# Altium PCB SDRdrum_Arty_RevB.PcbDoc
Units mm, origin at the board's own origin, x right, y up, seen from the top; angles counter-clockwise.
Board outline 100 x 100 mm, 4 copper layers (L1, L2 (GND), L3 (PWR), L4), stack 0.778 mm thick; 132 components, 76 nets, 439 pads, 47 vias.
Unrouted connection lines stored in the file: 124.
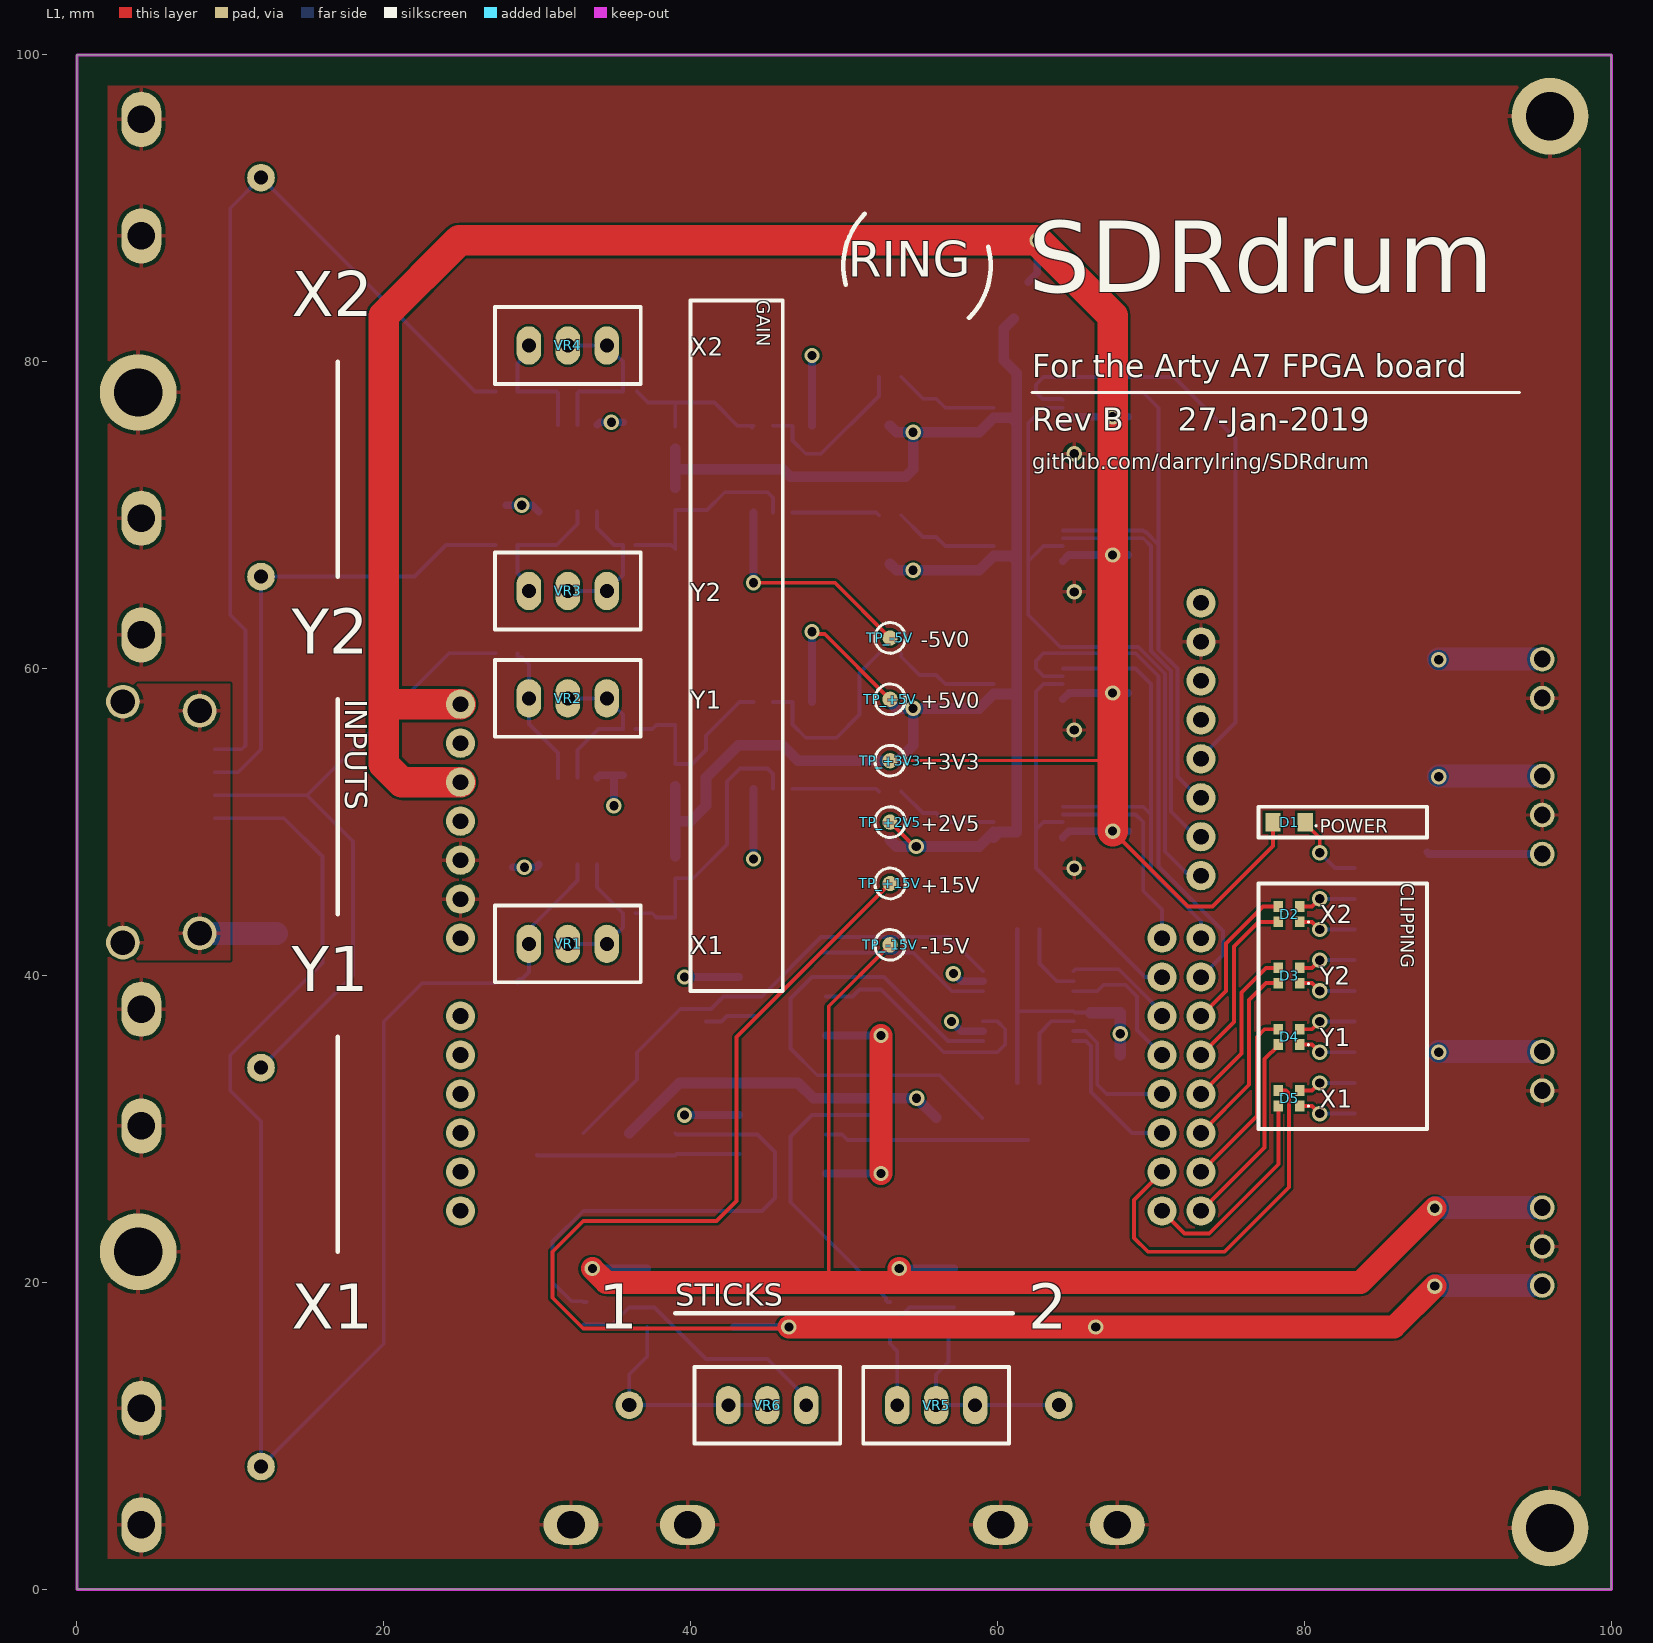
[diagram p0: L1 view]
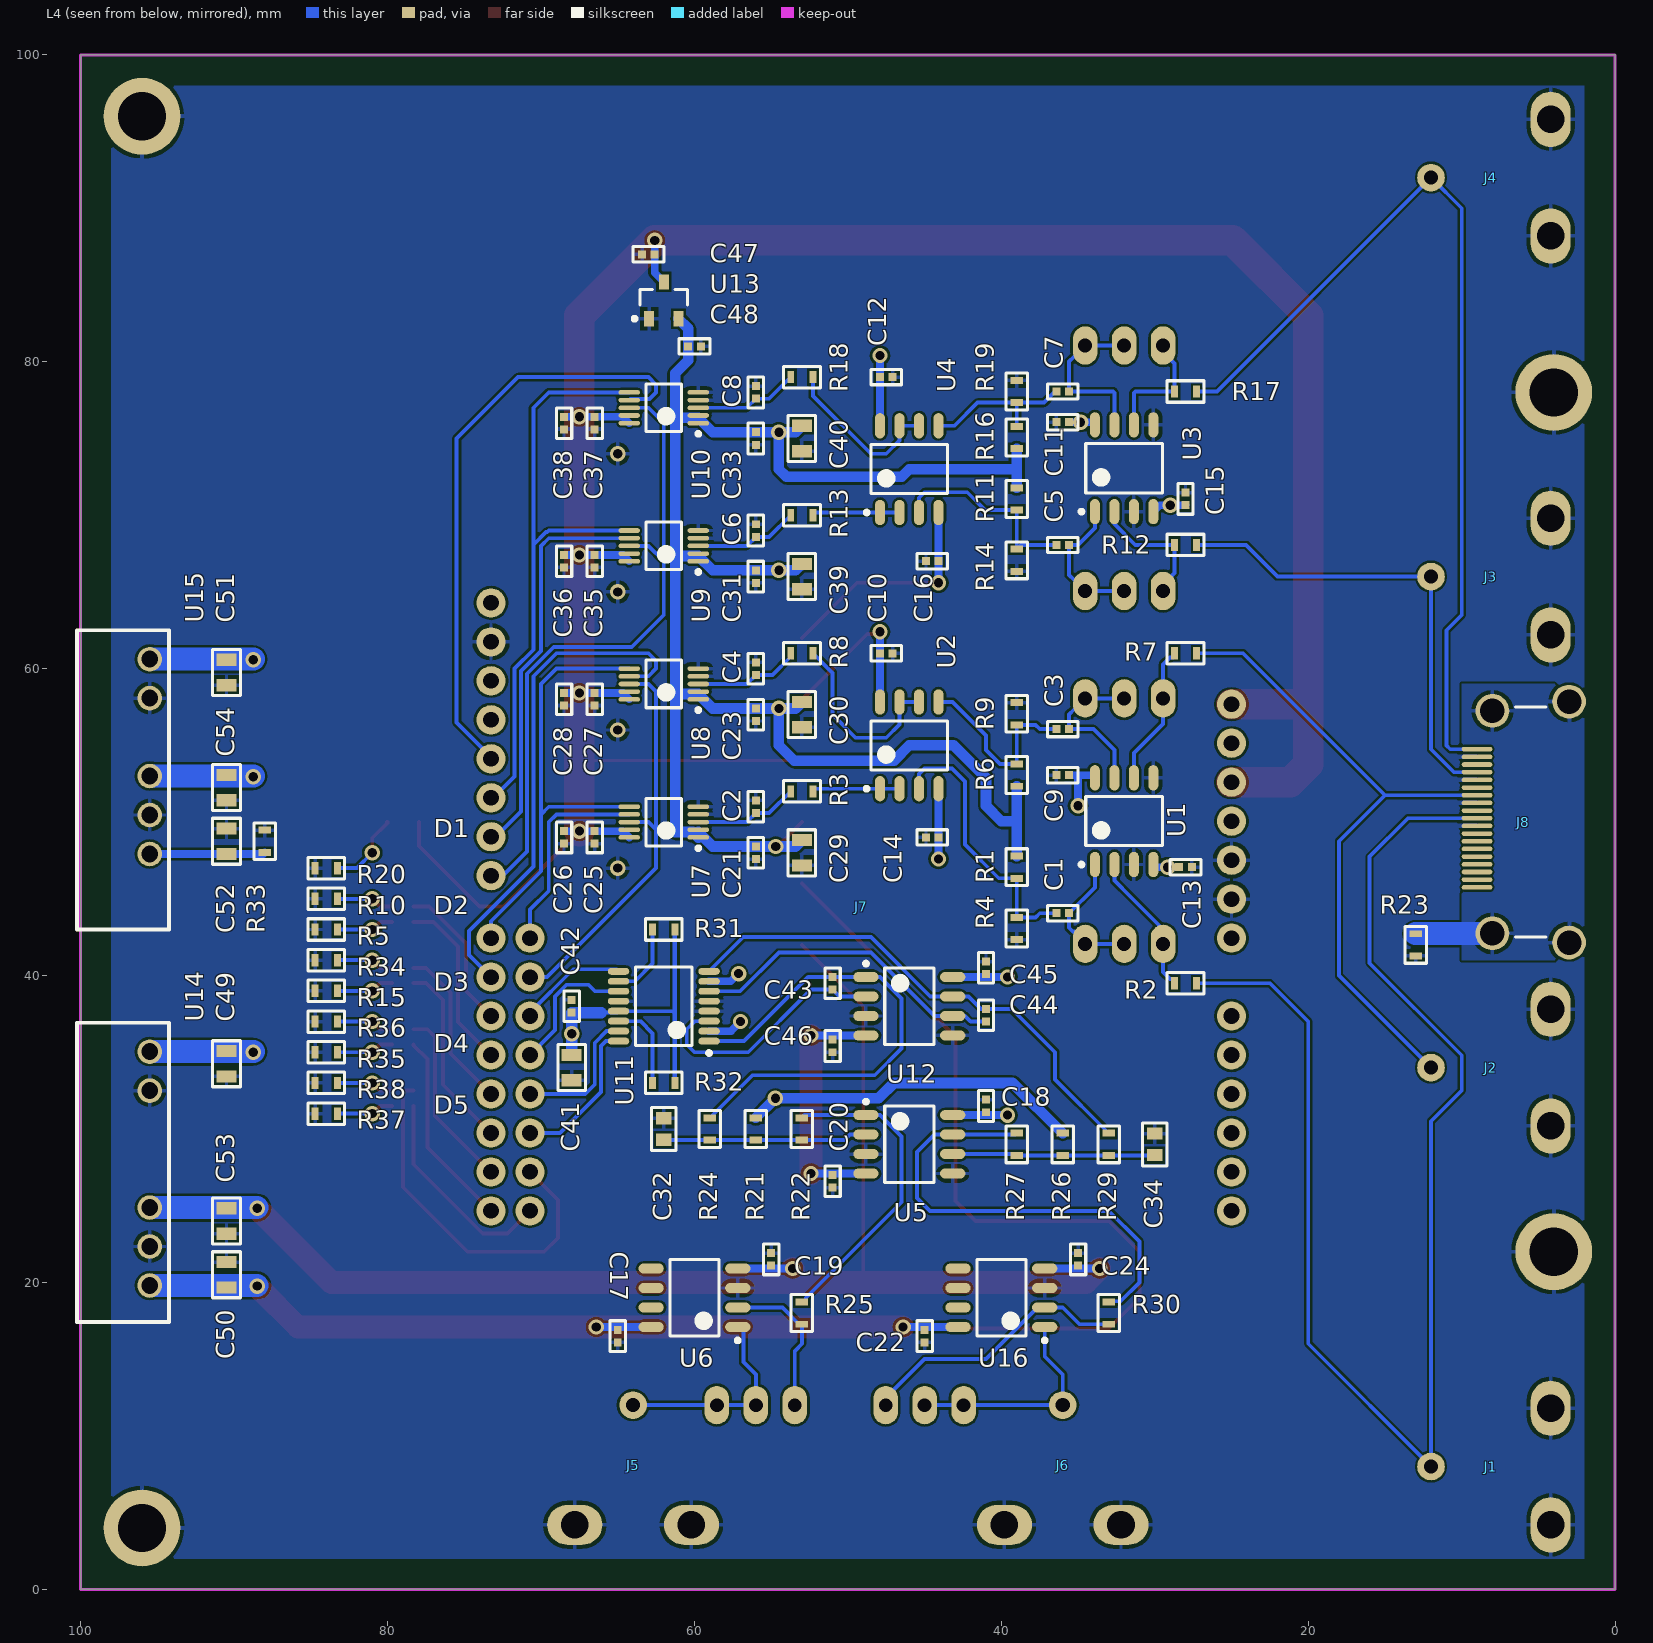
[diagram p1: L4 view, seen from below]
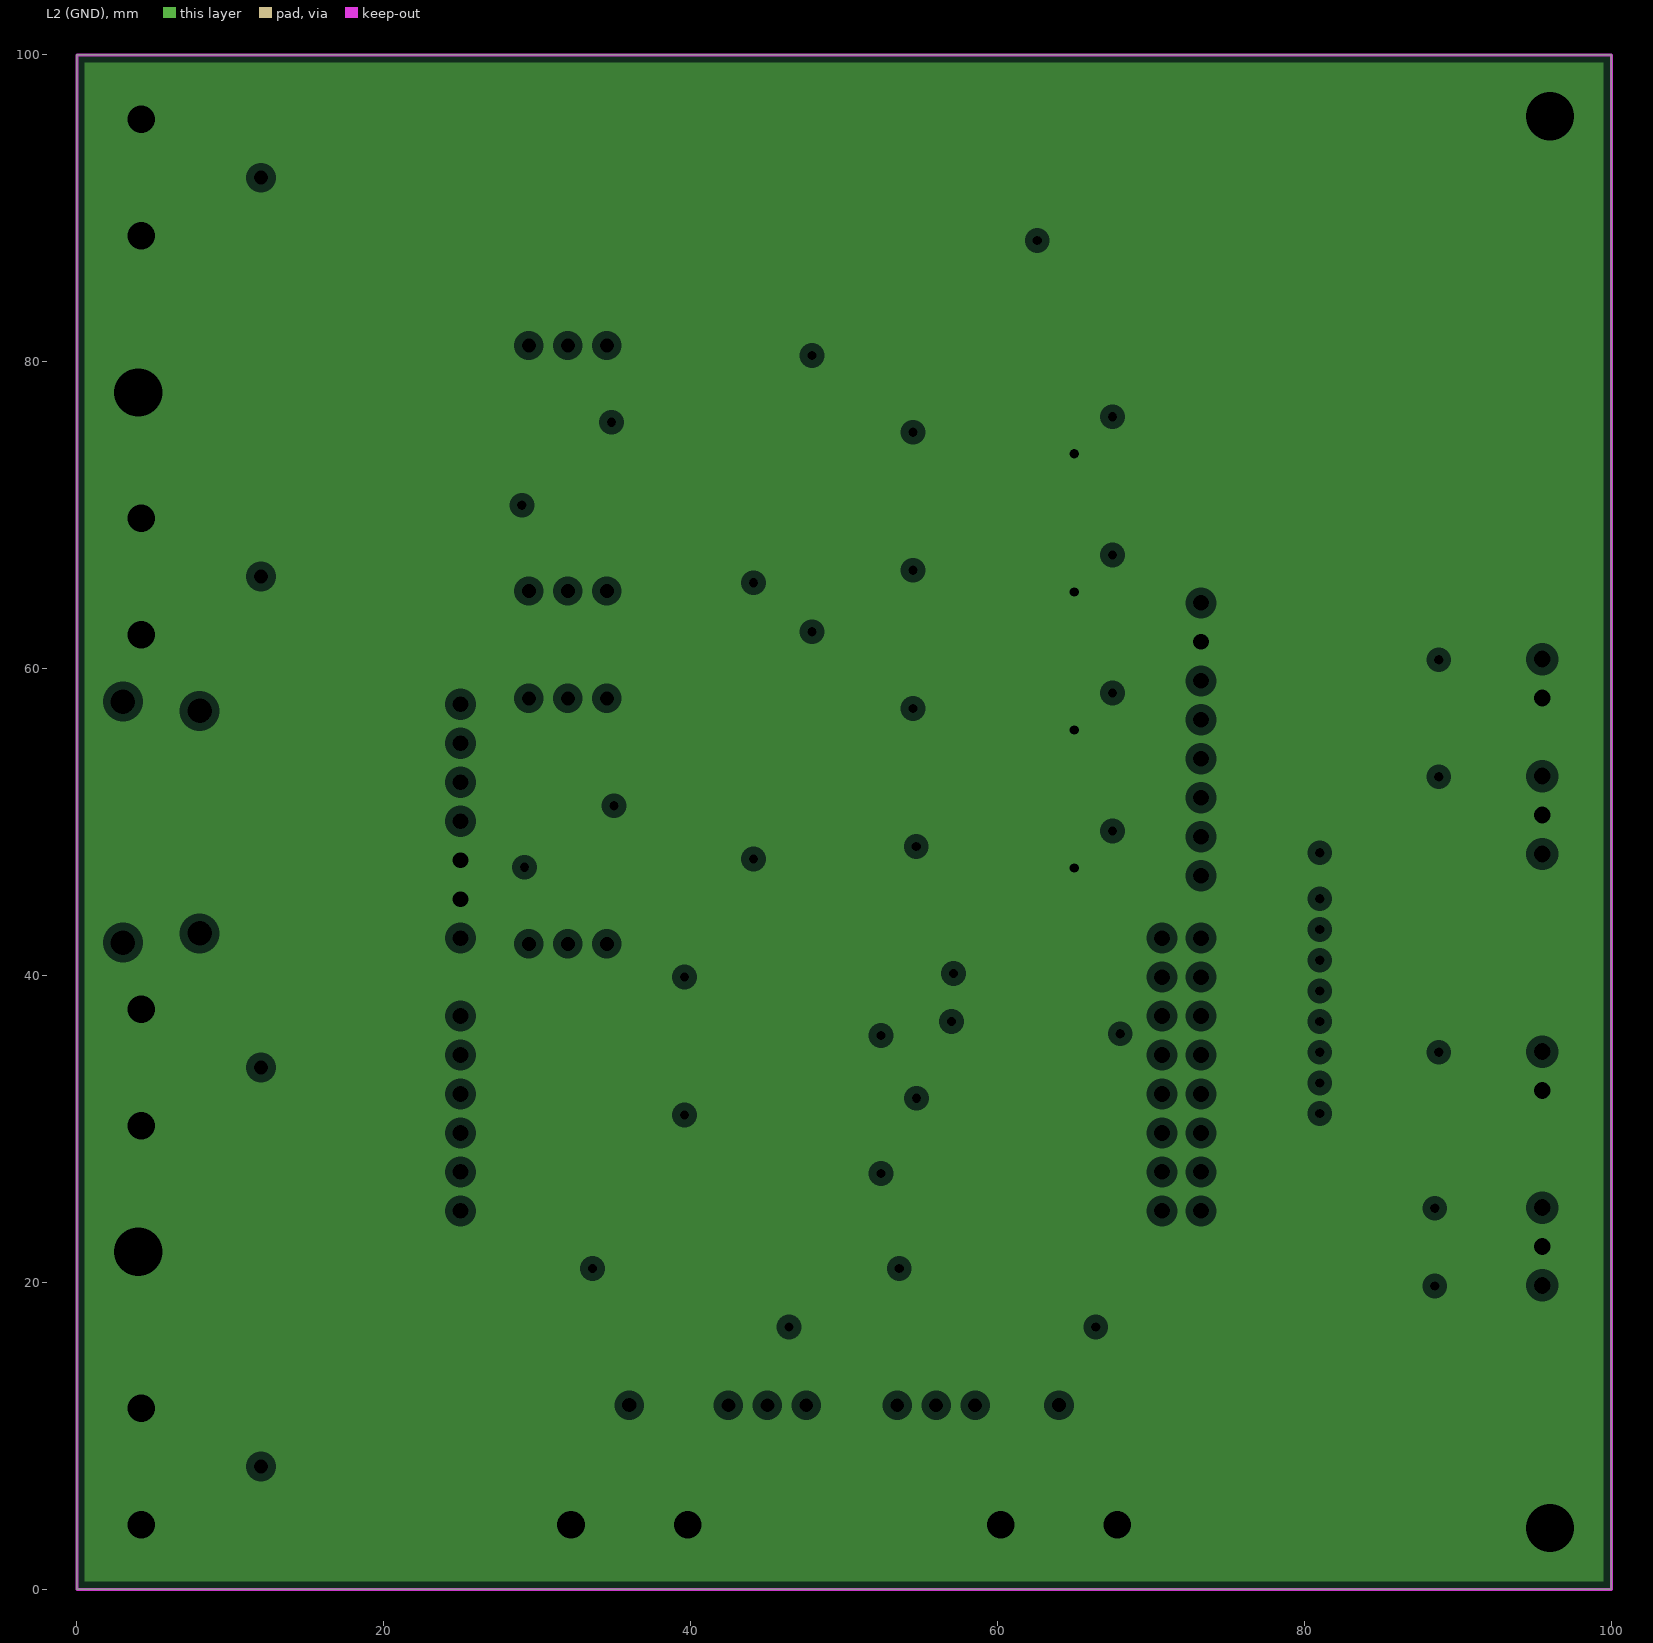
[diagram p2: L2 (GND), clearances drawn from the general rule]
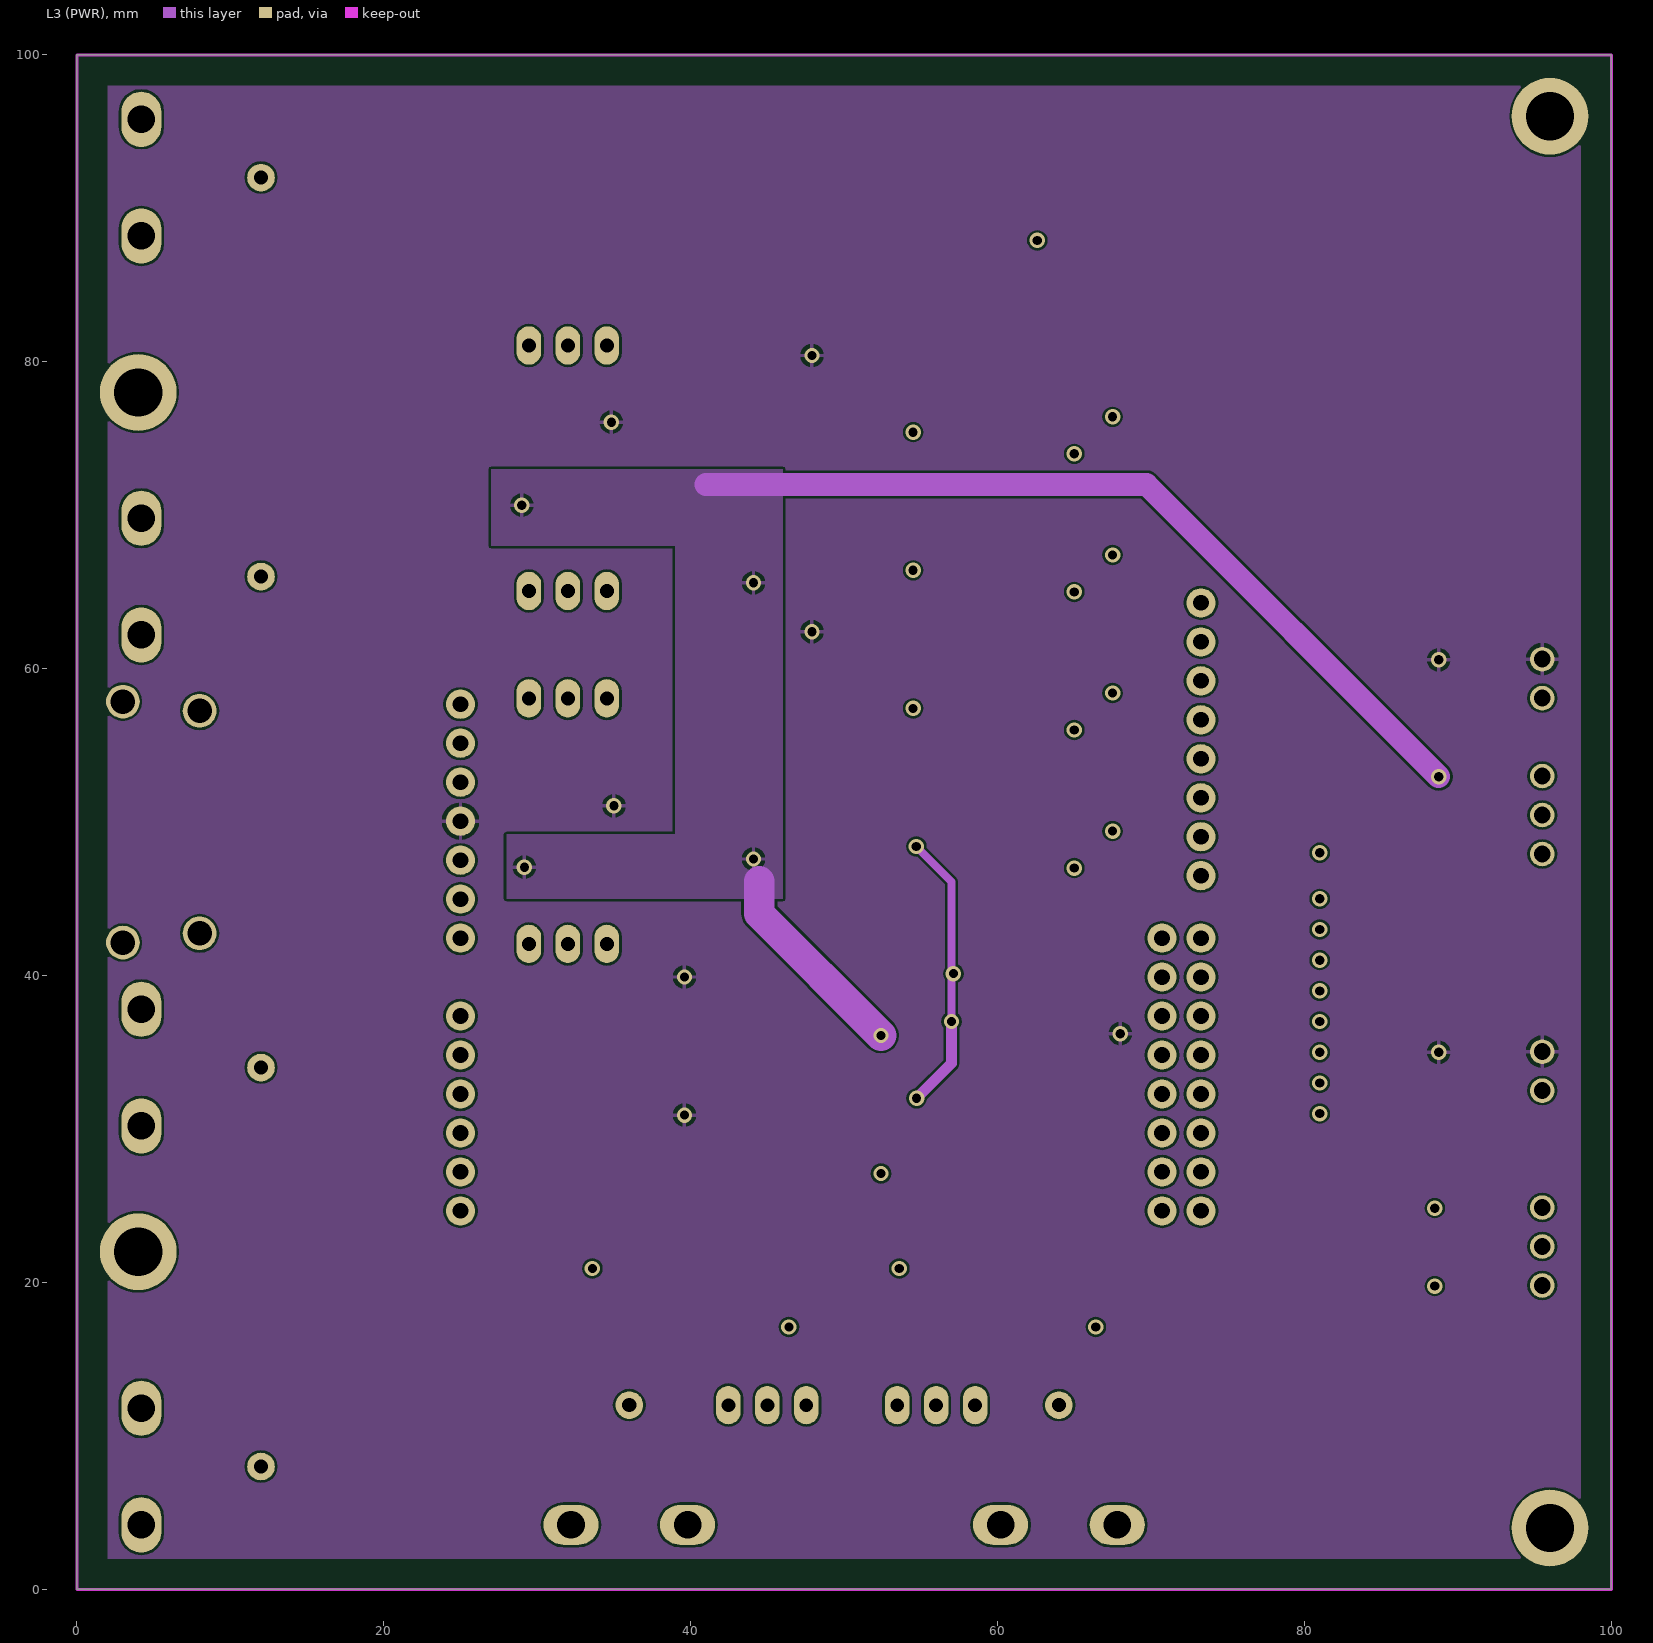
[diagram p3: L3 (PWR)]
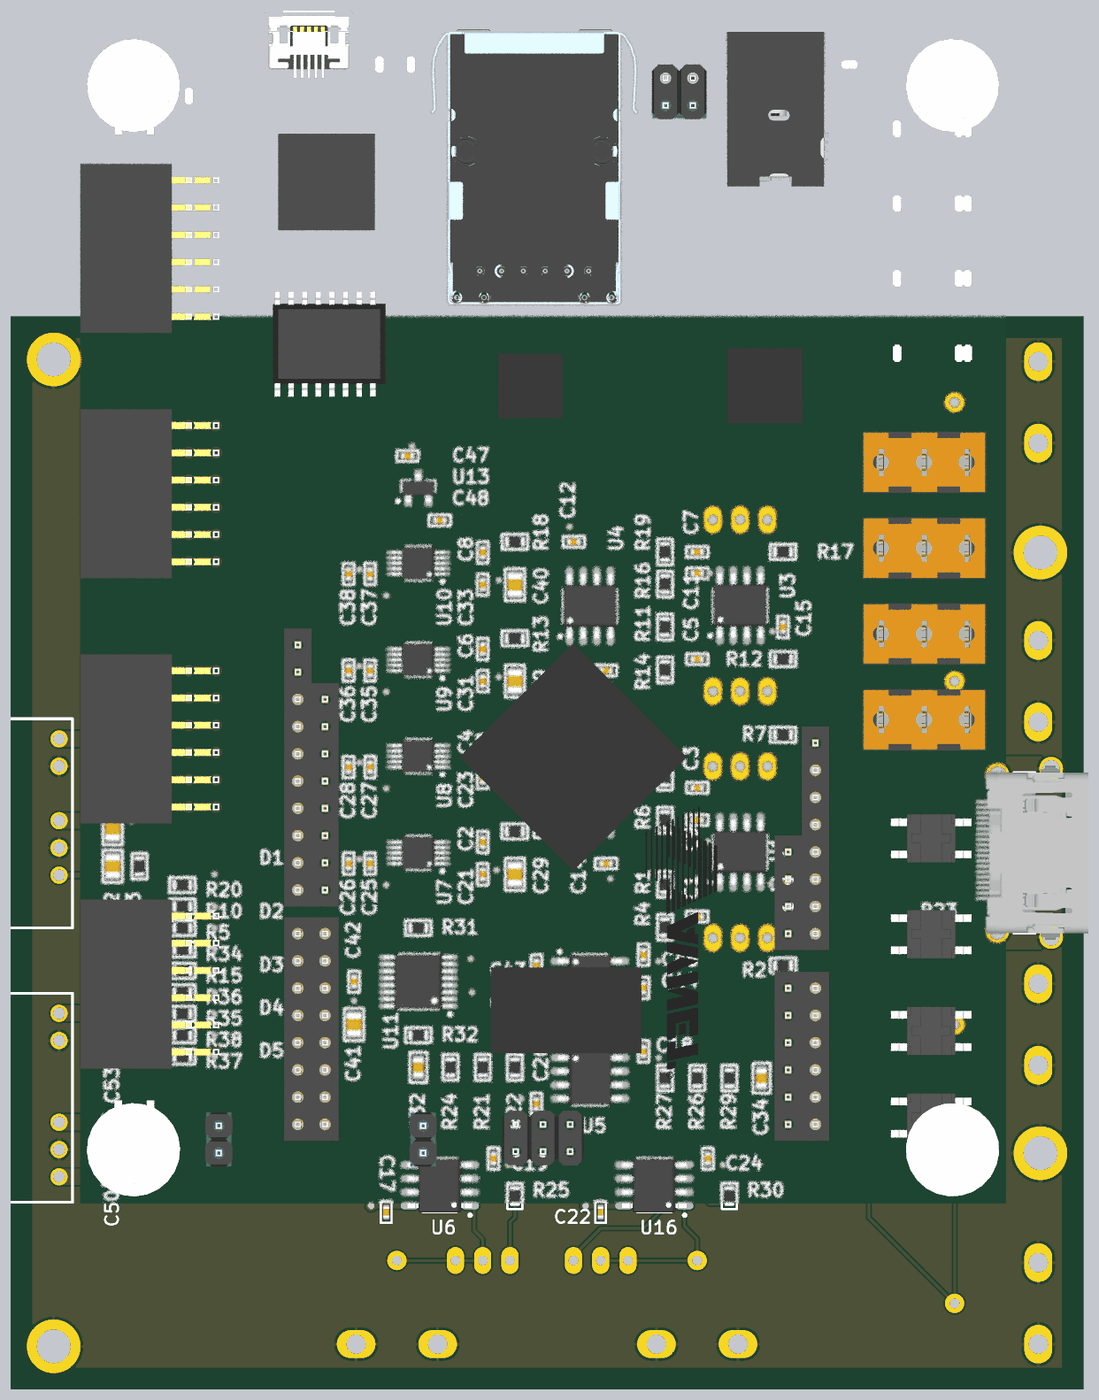
[diagram p4: 3D render of the assembled board from below, using the file's embedded part models]

## Layer stack, top to bottom
Top Solder: solder mask 0.0102, Solder Resist, Dk 3.5
L1: signal copper 0.0356
Dielectric 1: core 0.254, FR-4, Dk 4.2
L2 (GND): plane copper 0.036, net GND
Dielectric 3: core 0.254, Dk 4.2
L3 (PWR): signal copper 0.036
Dielectric 4: prepreg 0.127, Dk 4.2
L4: signal copper 0.0356
Bottom Solder: solder mask 0.0102, Solder Resist, Dk 3.5

## Board outline
0,0 100,0 100,100 0,100

## Design rules (kind name [scope] priority, off if disabled: settings)
Clearance [All] p1: gap=0.154 ignorepadtopadclearanceinfootprint=FALSE except(0: Arc-Hole Track-Hole SMDPad-Hole THPad-Hole Via-Hole Fill-Hole Poly-Hole Region-Hole Text-Hole)
Height [All] p1: minheight=0 maxheight=20 prefheight=12.7
HoleSize [All] p1: absolutevalues=TRUE maxlimit=4 minlimit=0.025 maxpercent=80.000 minpercent=20.000
MinimumSolderMaskSliver [All] p1: minsoldermaskwidth=0.05
PlaneClearance [All] p1: clearance=0.508
PlaneConnect [All] p1: planeconnectstyle=Relief reliefexpansion=0.508 reliefentries=4 reliefconductorwidth=0.254 reliefairgap=0.254
PolygonConnect [All] p1: connectstyle=Relief reliefconductorwidth=0.254 reliefentries=4 polygonreliefangle="90 Angle" airgapwidth=0.254
RoutingVias [All] p1: holewidth=0.711 width=1.27 viastyle="Through Hole" minholewidth=0.3 minwidth=0.6 maxholewidth=0.711 maxwidth=1.27
SilkToSilkClearance [All] p1: silktosilkclearance=0
SilkToSolderMaskClearance [IsPad] p1: minsilkscreentomaskgap=0.1 clearancetoexposedcopper=TRUE
SolderMaskExpansion [All] p1: expansion=0
Width [All] p1: maxlimit=2 minlimit=0.2 preferedwidth=0.254
23 further rules are at their usual default settings.

## Classes and differential pairs
component class Power: C47 C48 C49 C50 C51 C52 C53 C54 R33 TP_+1 TP_+2 TP_+2V5 TP_+3 TP_+3V3 TP_+4 TP_+5V TP_+15V TP_-1 TP_-2 TP_-5V TP_-15V U13 U14 U15
component class ADCs: C21 C23 C25 C26 C27 C28 C29 C30 C31 C33 C35 C36 C37 C38 C39 C40 U7 U8 U9 U10
component class "Connectors and Mechanical": D1 D2 D3 D4 D5 J7 J8 R5 R10 R15 R20 R23 R34 R35 R36 R37 R38
component class DACs: C41 C42 C43 C44 C45 C46 R31 R32 U11 U12
component class Inputs: C1 C2 C3 C4 C5 C6 C7 C8 C9 C10 C11 C12 C13 C14 C15 C16 J1 J2 J3 J4 R1 R2 R3 R4 R6 R7 R8 R9 R11 R12 R13 R14 R16 R17 R18 R19 U1 U2 U3 U4 VR1 VR2 VR3 VR4
component class Outputs: C17 C18 C19 C20 C22 C24 C32 C34 J5 J6 R21 R22 R24 R25 R26 R27 R29 R30 TP_+1 TP_+2 TP_+3 TP_+4 TP_-1 TP_-2 U5 U6 U16 VR5 VR6
